# Altium PCB BMS_V2.1_Adv.PcbDoc (part 2 of 4)
Units mil, origin at the board's own origin, x right, y up, seen from the top; angles counter-clockwise.
Board outline 5905.51 x 5905.51 mil, 4 copper layers (Top Layer, PWR, GND, Bottom Layer), stack 23.756 mil thick; 313 components, 195 nets, 1044 pads, 1741 vias.
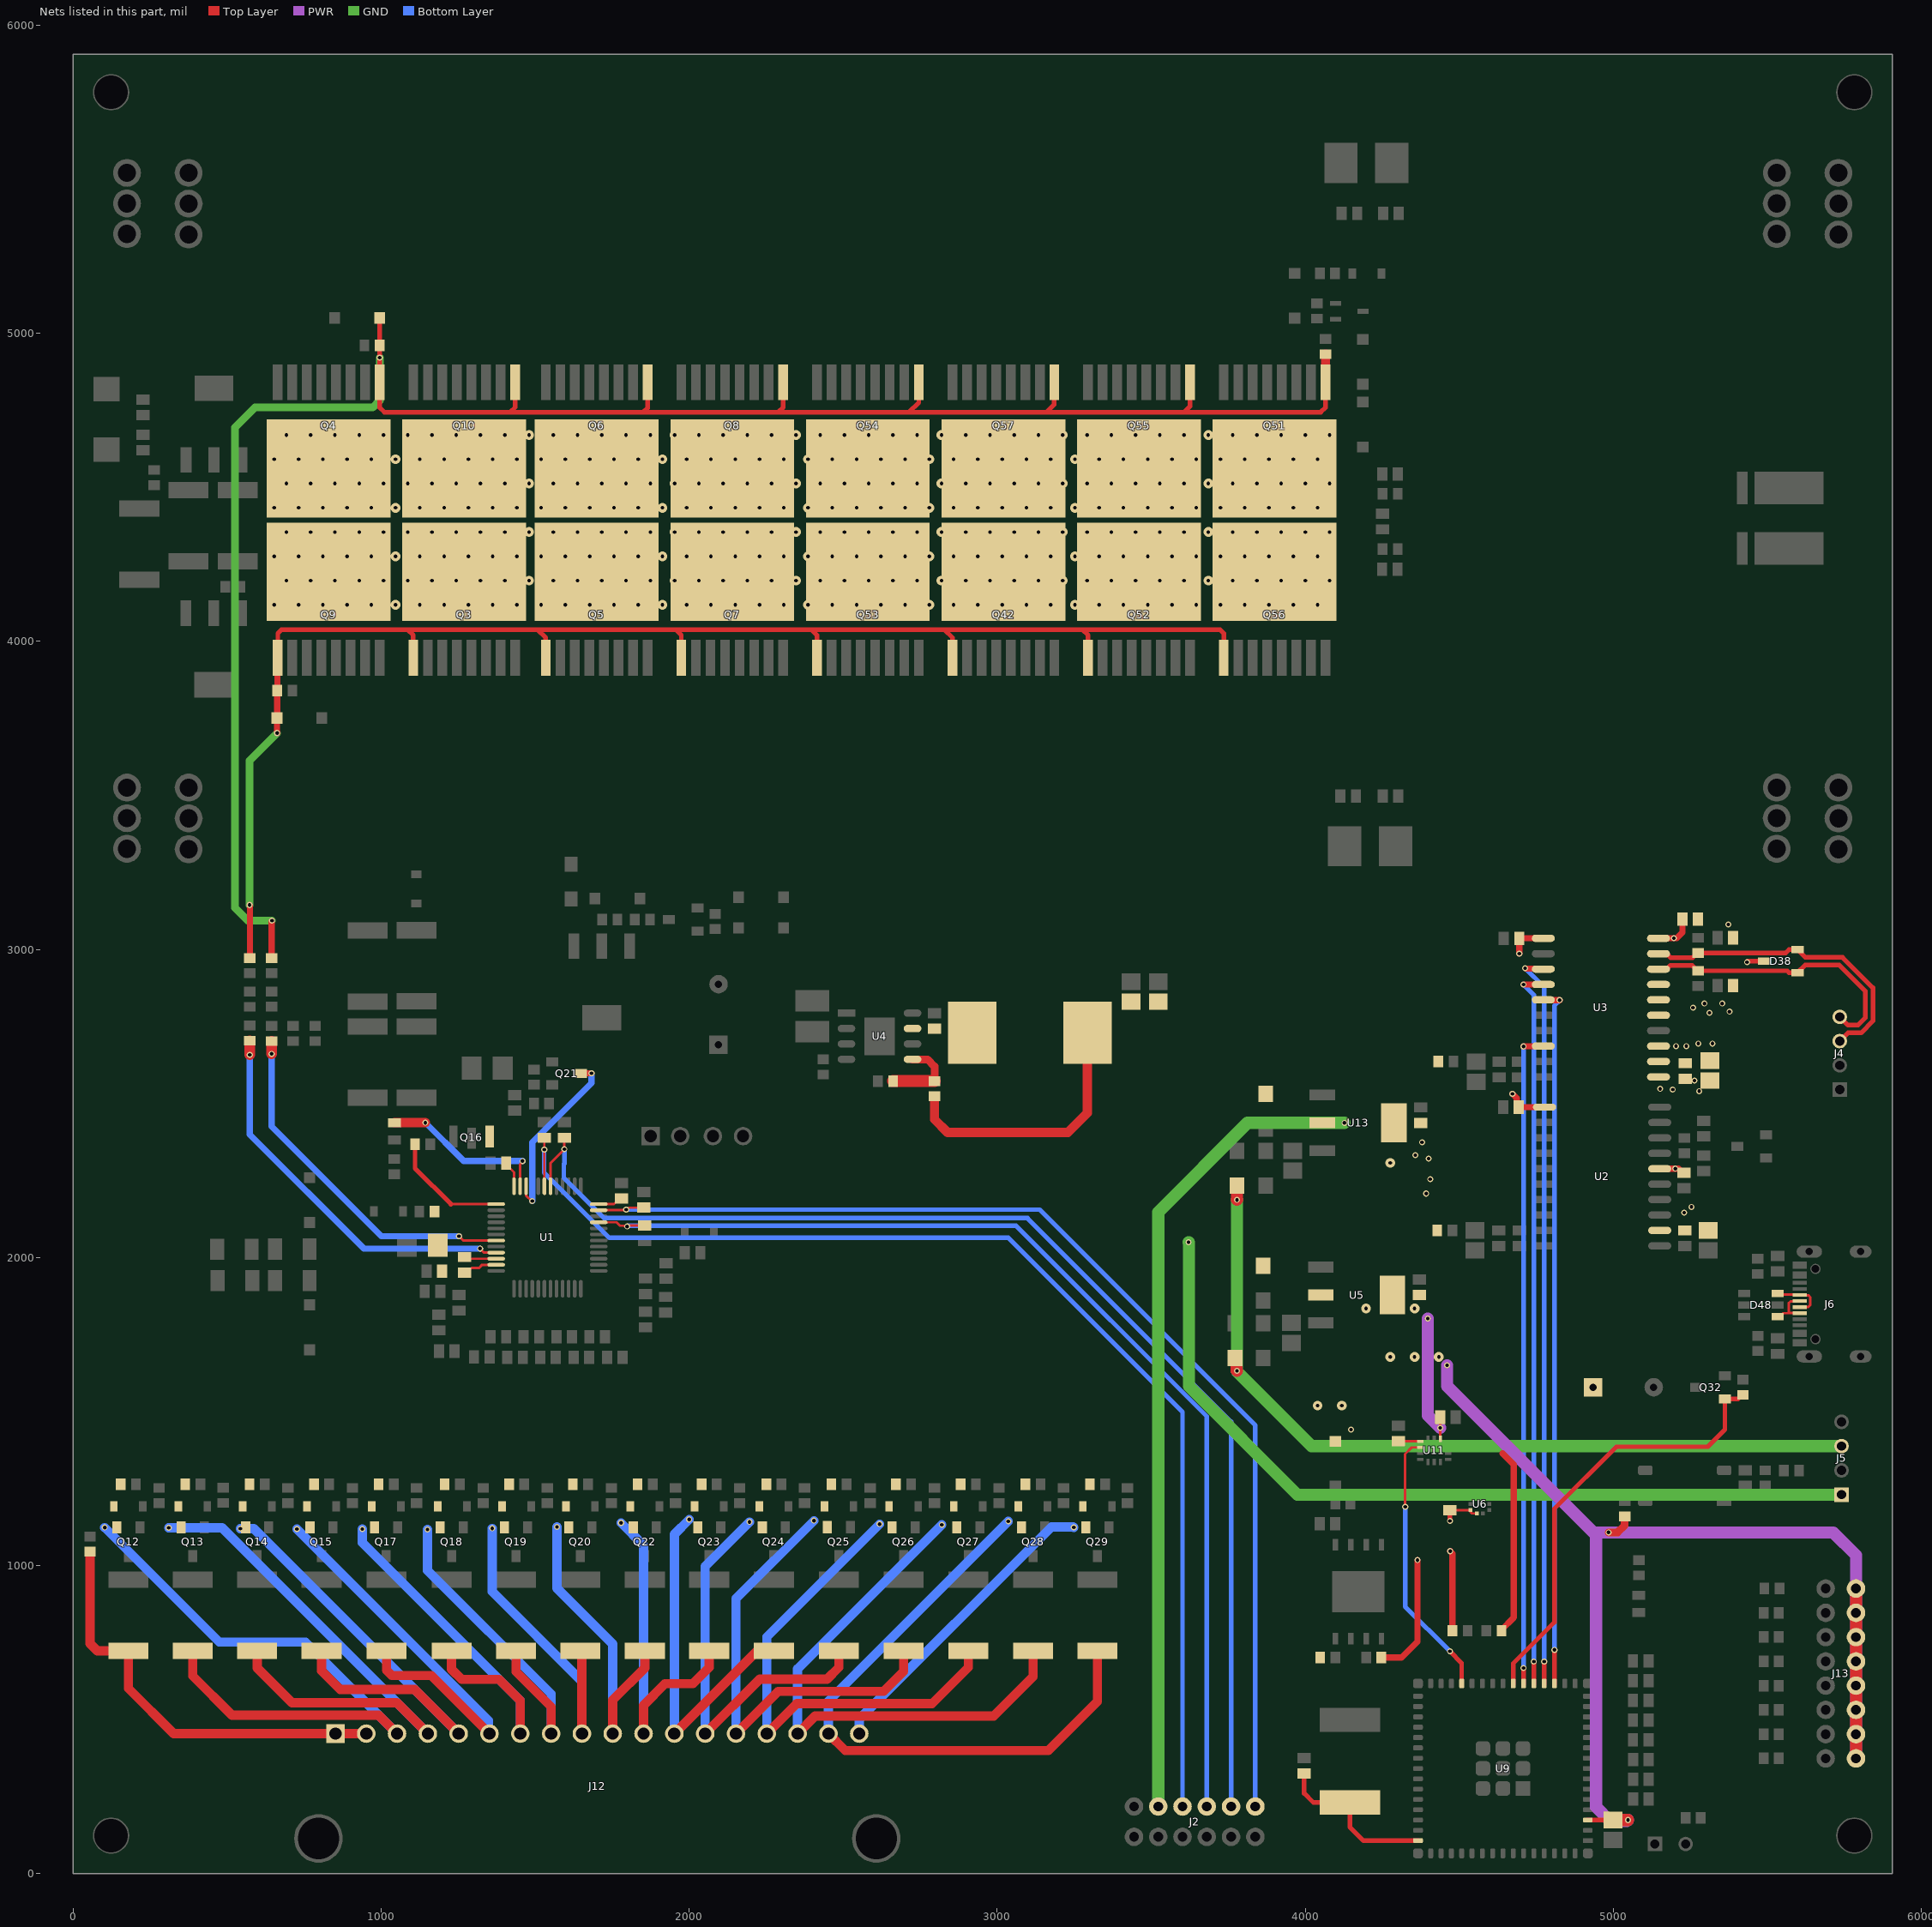
[diagram p4: the nets of this part, all layers, seen from the top]

## Part data (continued)
C26 C40 C41 C44 C45 C46 C52 C56 C62 C64 C65: library part Cap_CC0603KRX7R7BB104, "Multilayer Ceramic Capacitor, 100 nF, 16V, ±10%,  X7R 0603 [1608 Metric]", Manufacturer=Yageo, Max Temp="125 degC", Min Temp="-55 degC", Package=0603, Supplier 1 Part Number=311-1088-1-ND, Supplier Part Number=603-CC603KRX7R7BB104, Temp Coefficient=X7R, Tolerance=10%, Value Display="100nF,16 V,0603", Voltage=16V, AEC-Q=NA, Category=Capacitor, ComponentLink1Description=Datasheet, ComponentLink1URL=https://www.yageo.com/upload/media/product/productsearch/datasheet/mlcc/UPY-GPHC_X7R_6.3V-to-250V_24.pdf, Manufacturer Part Number=CC0603KRX7R7BB104, Mount Type="Surface Mount", Polarized=No, RoHS=Yes, Supplier=Mouser, Supplier 1=Digikey, Supplier 1 pricing per Unit="8.34 INR", Supplier pricing per Unit="8.34 INR", Technology=Ceramic, Value 1=CC0603KRX7R7BB104
C28 C29 C32 C34 C42 C43 C135 C136 C137 C138 C139 C140 C141 C142: library part Cap_C0603C102J3GACAUTO, "Multilayer Ceramic Capacitor, 1000 pF, 25V, ±5%,  C0G 0603 [1608 Metric]", Manufacturer=KEMET, Max Temp="125 degC", Min Temp="-55 degC", Package=0603, Supplier 1 Part Number=399-C0603C102J3GACAUTOCT-ND, Supplier Part Number=80-C0603C102J3GAUTO, Temp Coefficient="C0G, NP0", Tolerance=5%, Value Display="1nF,25 V,0603", Voltage=25V, AEC-Q=200, Category=Capacitor, ComponentLink1Description=Datasheet, ComponentLink1URL=https://connect.kemet.com:7667/gateway/IntelliData-ComponentDocumentation/1.0/download/datasheet/C0603C102J3GACAUTO, Manufacturer Part Number=C0603C102J3GACAUTO, Mount Type="Surface Mount", Polarized=No, RoHS=Yes, Supplier=Mouser, Supplier 1=Digikey, Supplier 1 pricing per Unit="9.17 INR", Supplier pricing per Unit="8.34 INR", Technology=Ceramic, Value 1=C0603C102J3GACAUTO
C30 C57 C60 C70 C72 C76 C77 C78 C81: library part Cap_GRM21BZ71E106KE15L, "Multilayer Ceramic Capacitor, 10 uF, 25V, ±10%,  X7R 0805 (2012 Metric)", Manufacturer=Murata, Max Temp="125 degC", Min Temp="-55 degC", Package=0805, Supplier 1 Part Number=490-GRM21BZ71E106KE15LCT-ND, Supplier Part Number=81-GRM21BZ71E106KE5L, Temp Coefficient=X7R, Tolerance=10%, Value Display="10uF, 25V, 0805", Voltage=25V, AEC-Q=NA, Category=Capacitor, ComponentLink1Description=Datasheet, ComponentLink1URL=https://search.murata.co.jp/Ceramy/image/img/A01X/G101/ENG/GRM21BZ71E106KE15-01.pdf, Manufacturer Part Number=GRM21BZ71E106KE15L, Mount Type="Surface Mount", Polarized=No, RoHS=Yes, Supplier=Mouser, Supplier 1=Digikey, Supplier 1 pricing per Unit="28.51 INR", Supplier pricing per Unit="30.02 INR", Technology=Ceramic, Value 1=GRM21BZ71E106KE15L
C53 C54: library part Cap_CC0603JRNPO9BN470, "Multilayer Ceramic Capacitor, 47 pF, 50V, ±5%,  C0G 0603 [1608 Metric]", Manufacturer=Yageo, Max Temp="125 degC", Min Temp="-55 degC", Package=0603, Supplier 1 Part Number=311-1065-1-ND, Supplier Part Number=603-CC603JRNPO9BN470, Temp Coefficient="C0G, NP0", Tolerance=5%, Value Display="47pF,50 V,0603", Voltage=50V, AEC-Q=NA, Category=Capacitor, ComponentLink1Description=Datasheet, ComponentLink1URL=https://www.yageo.com/upload/media/product/productsearch/datasheet/mlcc/UPY-GP_NP0_16V-to-50V_18.pdf, Manufacturer Part Number=CC0603JRNPO9BN470, Mount Type="Surface Mount", Polarized=No, RoHS=Yes, Supplier=Mouser, Supplier 1=Digikey, Supplier 1 pricing per Unit="8.34 INR", Supplier pricing per Unit="8.34 INR", Technology=Ceramic, Value 1=CC0603JRNPO9BN470
C59 C68: library part Cap_C0603C103K4RECTU, "Multilayer Ceramic Capacitor, 10 nF, 16V, ±10%,  X7R 0603 [1608 Metric]", Manufacturer=KEMET, Max Temp="125 degC", Min Temp="-55 degC", Package=0603, Supplier 1 Part Number=399-C0603C103K4REC7867CT-ND, Supplier Part Number=80-C0603C103K4RECTU, Temp Coefficient=X7R, Tolerance=10%, Value Display="10nF,16 V,0603", Voltage=16V, AEC-Q=NA, Category=Capacitor, ComponentLink1Description=Datasheet, ComponentLink1URL=https://content.kemet.com/datasheets/KEM_C1090_X7R_ESD.pdf, Manufacturer Part Number=C0603C103K4RECTU, Mount Type="Surface Mount", Polarized=No, RoHS=Yes, Supplier=Mouser, Supplier 1=Digikey, Supplier 1 pricing per Unit="9.21 INR", Supplier pricing per Unit="8.34 INR", Technology=Ceramic, Value 1=C0603C103K4RECTU
C74: library part Cap_ESW476M100AH2AA, "Aluminum Electrolytic Capacitors Radial, 47 µF 100 V, Can 370mOhm @ 100kHz 5000 Hrs @ 105°C", Manufacturer=KEMET, Max Temp="105 degC", Min Temp="-40 degC", Package=TH, Supplier 1 Part Number=399-6631-ND, Supplier Part Number=80-ESW476M100AH2AA, Temp Coefficient=Electrolyte, Tolerance=20%, Value Display="47uF, 100 V", Voltage=100V, AEC-Q=NA, Category=Capacitor, ComponentLink1Description=Datasheet, ComponentLink1URL=https://www.mouser.in/datasheet/2/447/KEM_A4009_ESW-3316312.pdf, Manufacturer Part Number=ESW476M100AH2AA, Mount Type=TH, Pitch="5 mm", Polarized=Yes, RoHS=Yes, Supplier=Mouser, Supplier 1=Digikey, Supplier 1 pricing per Unit="35.85 INR", Supplier pricing per Unit="35.86 INR", Technology=Electrolyte, Value 1=ESW476M100AH2AA
C75: library part Cap_HMK325B7225KMHT, "Multilayer Ceramic Capacitor, 2.2 uF, 100 V, ± 10%, X7R, 1210 [3225 Metric]", Manufacturer="Taiyo Yuden", Max Temp="125 degC", Min Temp="-55 degC", Package=1210, Supplier 1 Part Number=587-6142-1-ND, Supplier Part Number=963-HMK325B7225KMHT, Temp Coefficient=X7R, Tolerance=10%, Value Display="2.2uF,100 V,1210", Voltage=100V, AEC-Q=200, Category=Capacitor, ComponentLink1Description=Datasheet, ComponentLink1URL=https://ds.yuden.co.jp/TYCOMPAS/ut/detail?pn=HMK325B7225KMHT%20%20&u=M, Manufacturer Part Number=HMK325B7225KMHT, Mount Type="Surface Mount", Polarized=No, RoHS=Yes, Supplier=Mouser, Supplier 1=Digikey, Supplier 1 pricing per Unit="33.35 INR", Supplier pricing per Unit="32.53 INR", Technology=Ceramic, Value 1=HMK325B7225KMHT
D1: library part Diode_TVS_SMP100LC-140, "140V Off-State 400 A Ipp TVS Thyristor DO-214AA, SMB", Manufacturer=ST, Max Temp=NA, Package="DO-214AA, SMB", Supplier 1 Part Number=497-4088-1-ND, Supplier Part Number=511-SMP100LC-140, Value Display=140V, AEC-Q=NA, Category="TVS Diode", ComponentLink1Description=Datasheet, ComponentLink1URL=https://www.st.com/content/ccc/resource/technical/document/datasheet/56/56/46/9e/00/a0/48/db/CD00002051.pdf/files/CD00002051.pdf/jcr:content/translations/en.CD00002051.pdf, Manufacturer Part Number=SMP100LC-140, Min Temp=NA, Mount Type="Surface Mount", RoHS=Yes, Supplier=Mouser, Supplier 1=Digikey, Supplier 1 pricing per Unit="63.38 INR", Supplier pricing per Unit="63.38 INR", Value 1=SMP100LC-140, Voltage=140V
D2 D3: library part Diode_TVS_SMDJ70A, "113V Clamp 31A Ipp Tvs Diode Surface Mount DO-214AB (SMCJ)", Manufacturer=LittleFuse, Max Temp="150 degC", Min Temp="-65 degC", Package="DO-214AB (SMCJ)", Power="3kW (Peak)", Supplier 1 Part Number=SMDJ70ACT-ND, Supplier Part Number=576-SMDJ70A, Value Display=113V, AEC-Q=NA, Category="TVS Diode", ComponentLink1Description=Datasheet, ComponentLink1URL=https://www.littelfuse.com/media?resourcetype=datasheets&itemid=2d9772b3-822b-4362-914d-b74e0a706638&filename=littelfuse-tvs-diode-smdj-datasheet, Manufacturer Part Number=SMDJ70A, Mount Type="Surface Mount", RoHS=Yes, Supplier=Mouser, Supplier 1=Digikey, Supplier 1 pricing per Unit="74.28 INR", Supplier pricing per Unit="73.39 INR", Value 1=SMDJ70A, Voltage=113V
D4 D5 D6 D40: library part Diode_MMSZ5246BQ-7-F, "Zener Diode 16 V 500 mW ±5% Surface Mount SOD-123", Forward Current=30mA, Forward Voltage="900 mV @ 10 mA", Manufacturer="Diodes Inc.", Max Temp="150 degC", Min Temp="-65 degC", Package="SOD 123", Power=370mW, Supplier 1 Part Number=31-MMSZ5246BQ-7-FTR-ND, Supplier Part Number=621-MMSZ5246BQ-7-F, Value Display="16V 30mA", Voltage=16V, AEC-Q=101, Category=Diode, ComponentLink1Description=Datasheet, ComponentLink1URL=https://www.diodes.com/assets/Datasheets/ds18010.pdf, Manufacturer Part Number=MMSZ5246BQ-7-F, Mount Type="Surface Mount", RoHS=Yes, Supplier=Mouser, Supplier 1=Digikey, Supplier 1 pricing per Unit="17.9 INR", Supplier pricing per Unit="17.71 INR", Value 1=MMSZ5246BQ-7-F
D7 D8 D10 D11: library part Diode_BAT46W-7-F, "Diode 100 V 150mA Surface Mount SOD-123", Forward Current=150mA, Forward Voltage="450mV @ 10mA", Manufacturer="Diodes Inc.", Max Temp="125 degC", Min Temp="-55 degC", Package="SOD 123", Power=200mW, Supplier 1 Part Number=BAT46W-7FDICT-ND, Supplier Part Number=621-BAT46W-7-F, Value Display="100V 150mA", Voltage=100V, AEC-Q=NA, Category=Diode, ComponentLink1Description=Datasheet, ComponentLink1URL=https://www.diodes.com/assets/Datasheets/BAT46W.pdf, Manufacturer Part Number=BAT46W-7-F, Mount Type="Surface Mount", RoHS=Yes, Supplier=Mouser, Supplier 1=Digikey, Supplier 1 pricing per Unit="32.55 INR", Supplier pricing per Unit="25.02 INR", Value 1=BAT46W-7-F
D9 D14 D17: library part Diode_SBAS16HT1G, "DIODE GEN PURP 100V 200MA SOD323", Forward Current=200mA, Forward Voltage="1.25V @150mA", Manufacturer=OnSemi, Max Temp="150 degC", Min Temp="-55 degC", Package="SOD 323", Power=200mW, Supplier 1 Part Number=SBAS16HT1GOSCT-ND, Supplier Part Number=863-SBAS16HT1G, Value Display="100V 200mA", Voltage=100V, AEC-Q=101, Category=Diode, ComponentLink1Description=Datasheet, ComponentLink1URL=https://www.onsemi.com/pdf/datasheet/bas16ht1-d.pdf, Manufacturer Part Number=SBAS16HT1G, Mount Type="Surface Mount", RoHS=Yes, Supplier=Mouser, Supplier 1=Digikey, Supplier 1 pricing per Unit="10.84 INR", Supplier pricing per Unit="15.01 INR", Value 1=SBAS16HT1G
D12 D13 D15 D16 D18 D19 D20 D21 D22 D23 D24 D25 D26 D27 D28 D29 D30: library part Diode_MM3Z5V1ST1G, "Zener Diode 5.6 V 300 mW ±2% Surface Mount SOD-323", Forward Current=2uA, Forward Voltage="900 mV @ 5 mA", Manufacturer=OnSemi, Max Temp="150 degC", Min Temp="-65 degC", Package=SOD-323-2, Power=300mW, Supplier 1 Part Number=MM3Z5V1ST1GOSCT-ND, Supplier Part Number=863-MM3Z5V1ST1G, Value Display=5.1V, AEC-Q=NA, Category=Diode, ComponentLink1Description=Datasheet, ComponentLink1URL=https://www.onsemi.com/pdf/datasheet/mm3z2v4st1-d.pdf, Manufacturer Part Number=MM3Z5V1ST1G, Mount Type="Surface Mount", RoHS=Yes, Supplier=Mouser, Supplier 1=Digikey, Supplier 1 pricing per Unit="8.38 INR", Supplier pricing per Unit="10.01 INR", Value 1=MM3Z5V1ST1GOSCT-ND, Voltage=5.1V
D37: library part Diode_TVS_ESDA6V1L, "Clamp Ipp Tvs Diode Surface Mount SOT-23-3 Unidirectional", Manufacturer=ST, Max Temp="125 degC", Min Temp="-40 degC", Package="SOT 23-3", Power=300W, Supplier 1 Part Number=497-2930-1-ND, Supplier Part Number=511-ESDA6V1L, Voltage=6.1V, AEC-Q=NA, Category="TVS Diode", ComponentLink1Description=Datasheet, ComponentLink1URL=https://www.st.com/content/ccc/resource/technical/document/datasheet/eb/9f/a7/ac/7b/b6/46/7f/CD00002057.pdf/files/CD00002057.pdf/jcr:content/translations/en.CD00002057.pdf, Manufacturer Part Number=ESDA6V1L, Mount Type="Surface Mount", RoHS=Yes, Supplier=Mouser, Supplier 1=Digikey, Supplier 1 pricing per Unit="31.71 INR", Supplier pricing per Unit="33.36 INR", Value 1=ESDA6V1L, Value Display=ESDA6V1L
D38: library part Diode_TVS_ESDCAN04-2BLY, "43V Clamp 3.7A (8/20µs) Ipp Tvs Diode Surface Mount SOT-23-3 Bidirectional", Manufacturer=ST, Max Temp="150 degC", Min Temp="-40 degC", Package="SOT 23-3", Power=230W, Supplier 1 Part Number=497-19089-1-ND, Supplier Part Number=511-ESDCAN04-2BLY, Voltage=43V, AEC-Q=101, Category="TVS Diode", ComponentLink1Description=Datasheet, ComponentLink1URL=https://www.st.com/resource/en/datasheet/esdcan01-2bly.pdf, Manufacturer Part Number=ESDCAN04-2BLY, Mount Type="Surface Mount", RoHS=Yes, Supplier=Mouser, Supplier 1=Digikey, Supplier 1 pricing per Unit="35.05 INR", Supplier pricing per Unit="34.19 INR", Value 1=ESDCAN04-2BLY, Value Display=ESDCAN04-2BLY
D39: library part Diode_STPS2H100ZFY, "Diode 100 V 2A Surface Mount SOD-123F", Forward Current=2A, Forward Voltage="0.7V @ 2A", Manufacturer=ST, Max Temp="175 degC", Min Temp="-40 degC", Package="SOD 123", Supplier 1 Part Number=497-17158-1-ND, Supplier Part Number=511-STPS2H100ZFY, Value Display="100V 2A", Voltage=100V, AEC-Q=101, Category=Diode, ComponentLink1Description=Datasheet, ComponentLink1URL=https://www.st.com/content/ccc/resource/technical/document/datasheet/group3/ee/fd/cc/9a/a8/bc/46/dd/DM00306086/files/DM00306086.pdf/jcr:content/translations/en.DM00306086.pdf, Manufacturer Part Number=STPS2H100ZFY, Mount Type="Surface Mount", RoHS=Yes, Supplier=Mouser, Supplier 1=Digikey, Supplier 1 pricing per Unit="36.72 INR", Supplier pricing per Unit="36.70 INR", Value 1=STPS2H100ZFY
D41 D42 D46: library part Diode_SBR80520LT1G, "Diode 20 V 500mA Surface Mount SOD-123", Forward Current=500mA, Forward Voltage="385 mV @ 500 mA", Manufacturer=OnSemi, Max Temp="125 degC", Min Temp="-65 degC", Package="SOD 123", Supplier 1 Part Number=SBR80520LT1GOSCT-ND, Supplier Part Number=863-SBR80520LT1G, Value Display="20V 500mA", Voltage=20V, AEC-Q=NA, Category=Diode, ComponentLink1Description=Datasheet, ComponentLink1URL=https://www.onsemi.com/pdf/datasheet/mbr0520lt1-d.pdf, Manufacturer Part Number=SBR80520LT1G, Mount Type="Surface Mount", RoHS=Yes, Supplier=Mouser, Supplier 1=Digikey, Supplier 1 pricing per Unit="34.22 INR", Supplier pricing per Unit="34.19 INR", Value 1=SBR80520LT1G
D47 D77 D78 D79 D80 D81: library part Diode_MBR120LSFT3G, "DIODE SCHOTTKY 20V 1A SOD123FL", Forward Current=1A, Forward Voltage="450mV @ 1A", Manufacturer=OnSemi, Max Temp="125 degC", Min Temp="-55 degC", Package="SOD 123", Supplier 1 Part Number=MBR120LSFT3GOSCT-ND, Supplier Part Number=863-MBR120LSFT3G, Value Display="20V 1A", Voltage=20V, AEC-Q=NA, Category=Diode, ComponentLink1Description=Datasheet, ComponentLink1URL=https://www.onsemi.com/pdf/datasheet/mbr120lsft1-d.pdf, Manufacturer Part Number=MBR120LSFT3G, Mount Type="Surface Mount", RoHS=Yes, Supplier=Mouser, Supplier 1=Digikey, Supplier 1 pricing per Unit="27.69 INR", Supplier pricing per Unit="38.36 INR", Value 1=MBR120LSFT3G
D48: library part Diode_TVS_USBLC6-2SC6, "17V Clamp 5A (8/20µs) Ipp Tvs Diode Surface Mount SOT-23-6", Manufacturer=ST, Max Temp="150 degC", Min Temp="-40 degC", Package="SOT 23-6", Supplier 1 Part Number=497-5235-1-ND, Supplier Part Number=511-USBLC6-2SC6, Value Display=5.25V, AEC-Q=NA, Category="TVS Diode", ComponentLink1Description=Datasheet, ComponentLink1URL=https://www.st.com/content/ccc/resource/technical/document/datasheet/06/1d/48/9c/6c/20/4a/b2/CD00050750.pdf/files/CD00050750.pdf/jcr:content/translations/en.CD00050750.pdf, Manufacturer Part Number=USBLC6-2SC6, Mount Type="Surface Mount", RoHS=Yes, Supplier=Mouser, Supplier 1=Digikey, Supplier 1 pricing per Unit="29.30 INR", Supplier pricing per Unit="29.19 INR", Value 1=USBLC6-2SC6, Voltage=5.25V
FB1 FB2 FB3 FB4: library part FB_74279265, "600 Ohms @ 100 MHz 1 Signal Line Ferrite Bead 0603 (1608 Metric) 200mA 450mOhm", Manufacturer="Wurth Electronik", Max Temp="125 degC", Min Temp="-55 degC", Package=0603, Supplier 1 Part Number=732-1583-1-ND, Supplier Part Number=710-74279265, Value 1="600 Ohms @100MHHz", Value Display="600 Ohms", AEC-Q=200, Category="Ferrite Bead", ComponentLink1Description=Datasheet, ComponentLink1URL=https://www.we-online.com/components/products/datasheet/74279265.pdf, Manufacturer Part Number=74279265, Mount Type="Surface Mount", RoHS=Yes, Supplier=Mouser, Supplier 1=Digikey, Supplier 1 pricing per Unit="15.07 INR", Supplier pricing per Unit="14.10 INR"
J1: library part Con_61900411121, "Connector Header Through Hole 4 position 0.100\" (2.54mm)", Alternate Part Number=61900411021, Colour=Natural, Crimp Part Number=61900113722, Manufacturer="Wurth Electronik", Mating Part Number=61900411621, Package=THT, Supplier 1 Part Number=732-2697-ND, Supplier Part Number=710-61900411121, Value Display="4 Pin/Vert/TH", Category=Connector, Circuits=4, ComponentLink1Description=Datasheet, ComponentLink1URL=https://www.we-online.com/components/products/datasheet/6190xx11121.pdf, Manufacturer Part Number=61900411121, Mount Type=TH, No. of Rows=1, Pitch="2.54 mm", RoHS=Yes, Supplier=Mouser, Supplier 1=Digikey, Supplier 1 pricing per Unit="77.84 INR", Supplier pricing per Unit="78.4 INR", Value 1=61900411121
J2: library part Con_559591230, "2.00mm Pitch MicroClasp Wire-to-Board Header, Dual Row, Right Angle, 12 Circuits", Colour=Natural, Crimp Part Number=561349000, Manufacturer=Molex, Manufacturer Part Number=0559591230, Mating Part Number=513531200, Package=THT, Supplier 1 Part Number=WM12307-ND, Supplier Part Number=538-55959-1230, Value Display="12 Pin/RA/TH", AEC-Q=NA, Category=Connector, Circuits=12, ComponentLink1Description=Datasheet, ComponentLink1URL=https://www.molex.com/en-us/products/part-detail-pdf/559591230?display=pdf, Mount Type=TH, Pitch="2.00 mm", RoHS=Yes, Rows=2, Supplier=Mouser, Supplier 1=Digikey, Supplier 1 pricing per Unit="92.91 INR", Supplier pricing per Unit="87.57 INR", Value 1=559591230
J3: library part Con_61300211121, "Connector Header Through Hole 2 position 0.100\" (2.54mm)", Colour=Black, Crimp Part Number=609002115121, Manufacturer="Wurth Electronik", Package=THT, Supplier 1 Part Number=732-5315-ND, Supplier Part Number=710-61300211121, Value Display="2 Pin/Vert/TH", AEC-Q=NA, Category=Connector, Circuits=2, ComponentLink1Description=Datasheet, ComponentLink1URL=https://www.we-online.com/components/products/datasheet/61300211121.pdf, Manufacturer Part Number=61300211121, Mating Part Number=609002115121, Mount Type=TH, No. of Rows=1, Pitch="2.54 mm", RoHS=Yes, Supplier=Mouser, Supplier 1=Digikey, Supplier 1 pricing per Unit="10.93 INR", Supplier pricing per Unit="10.84 INR", Value 1=61300211121
J4 J5: library part Con_559350430, "2.00mm Pitch MicroClasp Wire-to-Board Header, Dual Row, Right Angle, 4 Circuits", Colour=Natural, Crimp Part Number=561349000, Manufacturer=Molex, Manufacturer Part Number=0559350430, Mating Part Number=513820400, Package=THT, Supplier 1 Part Number=WM12300-ND, Supplier Part Number=538-55935-0430, Value Display="4 Pin/RA/TH", AEC-Q=NA, Category=Connector, Circuits=4, ComponentLink1Description=Datasheet, ComponentLink1URL=https://www.molex.com/en-us/products/part-detail-pdf/559350430?display=pdf, Mount Type=TH, Pitch="2.00 mm", RoHS=Yes, Rows=1, Supplier=Mouser, Supplier 1=Digikey, Supplier 1 pricing per Unit="36.05 INR", Supplier pricing per Unit="28.36 INR", Value 1=559350430
J6: library part Con_USB_USB4105-GF-A, "USB Type C 2.0 Connector", Manufacturer=GCT, Package=SMT, Supplier 1 Part Number=2073-USB4105-GF-ACT-ND, Supplier Part Number=640-USB4105-GF-A, Value Display="USB 2.0 Type-C", Category=Connector, Circuits=16, ComponentLink1Description=Datasheet, ComponentLink1URL=https://mm.digikey.com/Volume0/opasdata/d220001/medias/docus/5492/USB4105.pdf, Manufacturer Part Number=USB4105-GF-A, Mount Type="Surface Mount", No. of Rows=1, Pitch="0.5 mm", RoHS=Yes, Supplier=Mouser, Supplier 1=Digikey, Supplier 1 pricing per Unit="67.8 INR", Supplier pricing per Unit="67.55 INR", Value 1=USB4105-GF-A
J12: library part Con_705550017, "Connector Header Through Hole, Right Angle 18 position 0.100\" (2.54mm)", Alternate Part Number=705550052, Colour=Black, Crimp Part Number=16020069, Manufacturer=Molex, Manufacturer Part Number=705550017, Mating Part Number=50579418, Package=THT, Supplier 1 Part Number=WM23533-ND, Supplier Part Number=538-70555-0017, Value Display="18 Pin/RA/TH", AEC-Q=NA, Category=Connector, Circuits=18, ComponentLink1Description=Datasheet, ComponentLink1URL=https://www.molex.com/en-us/products/part-detail-pdf/705550017?display=pdf, Mount Type=TH, No. of Rows=1, Pitch="2.54 mm", RoHS=Yes, Rows=1, Supplier=Mouser, Supplier 1=Digikey, Supplier 1 pricing per Unit="119.89 INR", Supplier pricing per Unit="100.01 INR", Value 1=0705550017
J13: library part Con_559591630, "2.00mm Pitch MicroClasp Wire-to-Board Header, Dual Row, Right Angle, 16 Circuits", Colour=Natural, Crimp Part Number=561349000, Manufacturer=Molex, Manufacturer Part Number=0559591630, Mating Part Number=513531600, Supplier 1 Part Number=WM7597-ND, Supplier Part Number=538-55959-1630, AEC-Q=No, Category=Connector, Circuits=16, Pitch (mm)=2.00, RoHS=Yes, Rows=2, Supplier=Mouser, Supplier 1=Digikey, Supplier 1 Price per Unit=77.84, Supplier Price per Unit=74.23
L1: library part Ind_MSS1210-683ME, "68 µH Shielded Drum Core, Wirewound Inductor 2.8 A 80mOhm Max Nonstandard", Manufacturer=Coilcraft, Manufacturer Part Number=MSS1210-683MED, Max Temp="85 degC", Min Temp="-40 degC", Package=SMT, Supplier 1 Part Number=2457-MSS1210-683MED-ND, Supplier Part Number=994-MSS1210-683MED, Value Display="68uH - 2.8A", AEC-Q=200, Category=Inductor, ComponentLink1Description=Datasheet, ComponentLink1URL=https://www.coilcraft.com/getmedia/f1a1bc5f-bdff-42f8-9ca8-1a0fb1d5094f/MSS1210.pdf, Mount Type="Surface Mount", RoHS=Yes, Supplier=Mouser, Supplier 1=Digikey, Supplier 1 pricing per Unit="334.68 INR", Supplier pricing per Unit="338.36 INR", Value 1=MSS1210-683MED
LED1: library part LED_150060RS75000, "Red 625nm LED Indication - Discrete 2V 0603 (1608 Metric)", Colour=Red, Manufacturer="Wurth Electronik", Max Temp="85 degC", Min Temp="-40 degC", Package=0603, Power=72mW, Supplier 1 Part Number=732-4978-1-ND, Supplier Part Number=710-150060RS75000, Value Display="2V, 30mA", AEC-Q=NA, Category=LED, ComponentLink1Description=Datasheet, ComponentLink1URL=https://www.we-online.com/components/products/datasheet/150060RS75000.pdf, Manufacturer Part Number=150060RS75000, Mount Type="Surface Mount", RoHS=Yes, Supplier=Mouser, Supplier 1=Digikey, Supplier 1 pricing per Unit="12.51 INR", Supplier pricing per Unit="12.51 INR", Value 1=150060RS75000
LED2: library part LED_150060GS75000, "Green 520nm LED Indication - Discrete 3.2V 0603 (1608 Metric)", Colour=Green, Manufacturer="Wurth Electronik", Max Temp="85 degC", Min Temp="-40 degC", Package=0603, Power=105mW, Supplier 1 Part Number=732-4971-1-ND, Supplier Part Number=710-150060GS75000, Value Display="3.2V, 20mA", AEC-Q=NA, Category=LED, ComponentLink1Description=Datasheet, ComponentLink1URL=https://www.we-online.com/components/products/datasheet/150060GS75000.pdf, Manufacturer Part Number=150060GS75000, Mount Type="Surface Mount", RoHS=Yes, Supplier=Mouser, Supplier 1=Digikey, Supplier 1 pricing per Unit="12.51 INR", Supplier pricing per Unit="12.51 INR", Value 1=150060GS75000
MT1 MT2 MT3 MT4: library part "Mounting Hole M3"
Q1 Q2 Q30: library part FET_ZXMP10A17GQTA, "P-Channel 100 V 2.4A (Ta) 2W (Ta) Surface Mount SOT-223-3", Forward Current=2.4A, Forward Voltage=100V, Manufacturer="Diodes Inc.", Max Temp="150 degC", Min Temp="-55 degC", Package="SOT 23-3", Power=2W, Supplier 1 Part Number=ZXMP10A17GQTADICT-ND, Supplier Part Number=621-ZXMP10A17GQTA, Value Display="100V 2.4A", AEC-Q=101, Category=MOSFET, Channel=P-Channel, ComponentLink1Description=Datasheet, ComponentLink1URL=https://www.diodes.com/assets/Datasheets/ZXMP10A17GQ.pdf, Manufacturer Part Number=ZXMP10A17GQTA, Mount Type="Surface Mount", Rds ON="350mΩ @ 2.4A @ -10V", RoHS=Yes, Supplier=Mouser, Supplier 1=Digikey, Supplier 1 pricing per Unit="85.13 INR", Supplier pricing per Unit="85.07 INR", Value 1=ZXMP10A17GQTA, Voltage=100V
Q3 Q4 Q5 Q6 Q7 Q8 Q9 Q10 Q42 Q51 Q52 Q53 Q54 Q55 Q56 Q57: library part FET_NVBLS0D8N08XTXG, "N-Channel 80 V 457A (Tc) 325W (Tc) Surface Mount 8-HPSOF", Forward Current=457A, Forward Voltage=80V, Manufacturer=OnSemi, Max Temp="175 degC", Min Temp="-55 degC", Package="8 HPSOF", Power=325W, Supplier 1 Part Number=488-NVBLS0D8N08XTXGCT-ND, Supplier Part Number=863-NVBLS0D8N08XTXG, Value Display="80V 457A", AEC-Q=101, Category=MOSFET, Channel=N-Channel, ComponentLink1Description=Datasheet, ComponentLink1URL=https://www.onsemi.com/download/data-sheet/pdf/nvbls0d8n08x-d.pdf, Manufacturer Part Number=NVBLS0D8N08XTXG, Mount Type="Surface Mount", Rds ON="0.79mOhms @80A,10V", RoHS=Yes, Supplier=Mouser, Supplier 1=Digikey, Supplier 1 pricing per Unit="575.53 INR", Supplier pricing per Unit="574.63 INR", Value 1=NVBLS0D8N08XTXG, Voltage=80V
Q11: library part FET_2N7002KW, "N-Channel 60 V 310mA (Ta) 350mW (Ta) Surface Mount SOT-323", Forward Current=310mA, Forward Voltage=60V, Manufacturer=OnSemi, Max Temp="150 degC", Min Temp="-55 degC", Package="SOT 32-3", Power=350mW, Value Display="60V 310mA", AEC-Q=NA, Category=MOSFET, Channel=N-Channel, ComponentLink1Description=Datasheet, ComponentLink1URL=https://www.onsemi.com/pdf/datasheet/2n7002kw-d.pdf, Manufacturer Part Number=2N7002KW, Mount Type="Surface Mount", Rds ON="1.6Ohms @500mA 10V", RoHS=Yes, Supplier=Mouser, Supplier 1=Digikey, Value 1=2N7002KW, Voltage=60V
Q12 Q13 Q14 Q15 Q17 Q18 Q19 Q20 Q22 Q23 Q24 Q25 Q26 Q27 Q28 Q29 Q31 Q32: library part FET_DMG2302UK-7, "N-Channel 20 V 2.8A (Ta) 660mW (Ta) Surface Mount SOT-23-3", Forward Current=2.8A, Forward Voltage=20V, Manufacturer="Diodes Inc.", Max Temp="150 degC", Min Temp="-55 degC", Package="SOT 23-3", Power=660mW, Supplier 1 Part Number=DMG2302UK-7DICT-ND, Supplier Part Number=621-DMG2302UK-7, Value Display="20V 2.8A", AEC-Q=101, Category=MOSFET, Channel=N-Channel, ComponentLink1Description=Datasheet, ComponentLink1URL=https://www.diodes.com/assets/Datasheets/DMG2302UK.pdf, Manufacturer Part Number=DMG2302UK-7, Mount Type="Surface Mount", Rds ON="90mOhms @ 3.6A, 4.5V", RoHS=Yes, Supplier=Mouser, Supplier 1=Digikey, Supplier 1 pricing per Unit="28.35 INR", Supplier pricing per Unit="22.52 INR", Value 1=DMG2302UK-7, Voltage=20V
Q16: library part BJT_FCX495TA, "Bipolar (BJT) Transistor NPN 150 V 1 A 100MHz 1 W Surface Mount SOT-89-3", Manufacturer="Diodes Inc.", Max Temp="150 degC", Min Temp="-65 degC", Package="SOT 89-3", Power=1W, Supplier 1 Part Number=FCX495CT-ND, Supplier Part Number=522-FCX495TA, Value Display="150V 1A", Voltage=150V, AEC-Q=101, Category=BJT, Channel=NPN, ComponentLink1Description=Datasheet, ComponentLink1URL=https://www.diodes.com/assets/Datasheets/FCX495.pdf, Manufacturer Part Number=FCX495TA, Mount Type="Surface Mount", RoHS=Yes, Supplier=Mouser, Supplier 1=Digikey, Supplier 1 pricing per Unit="38.37 INR", Supplier pricing per Unit="27.52 INR", Technology=BJT, Value 1=FCX495TA
Q21: library part FET_DMG2302UK-7, "N-Channel 20 V 2.8A (Ta) 660mW (Ta) Surface Mount SOT-23-3", Alternate 2 Part Number (Right Angled)=N-Channel, Forward Current=2.8A, Forward Voltage=20V, Manufacturer="Diodes Inc.", Max Temp="150 degC", Min Temp="-55 degC", Package="SOT 23-3", Power=660mW, Supplier 1 Part Number=DMG2302UK-7DICT-ND, Supplier Part Number=621-DMG2302UK-7, Value Display="20V 2.8A", AEC-Q=101, Category=MOSFET, ComponentLink1Description=Datasheet, ComponentLink1URL=https://www.diodes.com/assets/Datasheets/DMG2302UK.pdf, Manufacturer Part Number=DMG2302UK-7, Mount Type="Surface Mount", Rds ON="90mOhms @ 3.6A, 4.5V", RoHS=Yes, Supplier=Mouser, Supplier 1=Digikey, Supplier 1 pricing per Unit="28.35 INR", Supplier pricing per Unit="22.52 INR", Value 1=DMG2302UK-7, Voltage=20V
R1 R2 R3: library part Res_AC2512FK-7W200RL, "200 Ohms ±1% 2W Chip Resistor 2512 (6432 Metric) Automotive AEC-Q200, Moisture Resistant Thick Film", Manufacturer=Yageo, Max Temp="155 degC", Min Temp="-55 degC", Package=2512, Power=2W, Supplier 1 Part Number=13-AC2512FK-7W200RLTR-ND, Supplier Part Number=603-AC2512FK-7W200RL, Tolerance=1%, Value Display="200E, 1%,2512", AEC-Q=200, Category=Resistor, ComponentLink1Description=Datasheet, ComponentLink1URL=https://www.yageo.com/upload/media/product/productsearch/datasheet/rchip/PYu-AC_51_RoHS_L_10.pdf, Manufacturer Part Number=AC2512FK-7W200RL, Mount Type="Surface Mount", RoHS=Yes, Supplier=Mouser, Supplier 1=Digikey, Supplier 1 pricing per Unit=NA, Supplier pricing per Unit="60.05 INR", Value 1=AC2512FK-7W200RL
R4 R5 R6 R7 R8: library part Res_CRCW060310M0JNEA, "SMD Chip Resistor, 10 MOhm,±5%, 100 mW, 0603 [1608 Metric], Thick Film, General Purpose", Manufacturer="Vishay Dale", Max Temp="155 degC", Min Temp="-55 degC", Package=0603, Power=1/10W, Supplier 1 Part Number=541-10MGCT-ND, Supplier Part Number=71-CRCW0603J-10M-E3, Tolerance=5%, Value Display="10ME, 5%, 0603", AEC-Q=200, Category=Resistor, ComponentLink1Description=Datasheet, ComponentLink1URL=https://www.vishay.com/docs/20035/dcrcwe3.pdf, Manufacturer Part Number=CRCW060310M0JNEA, Mount Type="Surface Mount", RoHS=Yes, Supplier=Mouser, Supplier 1=Digikey, Supplier 1 pricing per Unit="8.34 INR", Supplier pricing per Unit="8.34 INR", Value 1=CRCW060310M0JNEA
R9 R10 R11 R12 R13 R15 R16 R104 R105: library part Res_CRCW06035K10JNEA, "SMD Chip Resistor, 5.1k Ohm, ± 5%, 250 mW, 0603 [1608 Metric], Thick Film, General Purpose", Manufacturer="Vishay Dale", Max Temp="155 degC", Min Temp="-55 degC", Package=0603, Power=1/10W, Supplier 1 Part Number=541-5.1KGCT-ND, Supplier Part Number=71-CRCW0603J-5.1K-E3, Tolerance=5%, Value Display="5.1kE, 5%,0603", AEC-Q=200, Category=Resistor, ComponentLink1Description=Datasheet, ComponentLink1URL=https://www.vishay.com/docs/20035/dcrcwe3.pdf, Manufacturer Part Number=CRCW06035K10JNEA, Mount Type="Surface Mount", RoHS=Yes, Supplier=Mouser, Supplier 1=Digikey, Supplier 1 pricing per Unit="8.34 INR", Supplier pricing per Unit="8.34 INR", Value 1=CRCW06035K10JNEA
R14 R26 R29 R34 R40 R43 R48 R51 R54 R56 R58 R60 R62 R65 R68 R71 R74 R77 R80 R82 R83 R84 R85 R88 R100 R101 R102 R103: library part Res_CRCW060310K0FKEA, "SMD Chip Resistor, 10 kOhm,±1%, 100 mW, 0603 [1608 Metric], Thick Film, General Purpose", Manufacturer="Vishay Dale", Max Temp="155 degC", Min Temp="-55 degC", Package=0603, Power=1/10W, Supplier 1 Part Number=541-10.0KHCT-ND, Supplier Part Number=71-CRCW0603-10K-E3, Tolerance=1%, Value Display="10kE, 1%, 0603", AEC-Q=200, Category=Resistor, ComponentLink1Description=Datasheet, ComponentLink1URL=https://www.vishay.com/docs/20035/dcrcwe3.pdf, Manufacturer Part Number=CRCW060310K0FKEA, Mount Type="Surface Mount", RoHS=Yes, Supplier=Mouser, Supplier 1=Digikey, Supplier 1 pricing per Unit="8.34 INR", Supplier pricing per Unit="8.34 INR", Value 1=CRCW060310K0FKEA
R17: library part Res_WSLP2726L5000FEA, "0.5 mOhms ±1% 7W Chip Resistor Nonstandard Anti-Sulfur, Automotive AEC-Q200, Current Sense, Moisture Resistant, Pulse Withstanding Metal Element", Manufacturer="Vishay Dale", Max Temp="175 degC", Min Temp="-60 degC", Package=NS, Power=7W, Supplier 1 Part Number=541-4377-1-ND, Supplier Part Number=71-WSLP2726L5000FEA, Tolerance=1%, Value Display="0.5mE, 1%", AEC-Q=200, Category="Shunt Resistor", ComponentLink1Description=Datasheet, ComponentLink1URL=https://www.vishay.com/docs/30179/wslp2726.pdf, Manufacturer Part Number=WSLP2726L5000FEA, Mount Type="Surface Mount", RoHS=Yes, Supplier=Mouser, Supplier 1=Digikey, Supplier 1 pricing per Unit="237.03 INR", Supplier pricing per Unit="202.66 INR", Value 1=WSLP2726L5000FEA
R18 R19 R44 R45 R89: library part Res_AF0603FR-07100RL, "SMD Chip Resistor,100 Ohms ±1%, 1/10W, 0603 (1608 Metric) Anti-Sulfur, Automotive AEC-Q200 Thick Film", Manufacturer=Yageo, Max Temp="155 degC", Min Temp="-55 degC", Package=0603, Power=1/10W, Supplier 1 Part Number=13-AC0603FR-10150RLCT-ND, Supplier Part Number=603-AF0603FR-07100RL, Tolerance=1%, Value Display="100E, 1%,0603", AEC-Q=200, Category=Resistor, ComponentLink1Description=Datasheet, ComponentLink1URL=https://www.yageo.com/upload/media/product/app/datasheet/rchip/pyu-af_51_rohs_l.pdf, Manufacturer Part Number=AF0603FR-07100RL, Mount Type="Surface Mount", RoHS=Yes, Supplier=Mouser, Supplier 1=Digikey, Supplier 1 pricing per Unit="8.34 INR", Supplier pricing per Unit="8.34 INR", Value 1=AF0603FR-07100RL
R20 R21 R22 R23: library part Res_CRCW12065K10JNEA, "SMD Chip Resistor, 5.1k Ohm, ± 5%, 250 mW, 1206 [3216 Metric], Thick Film, General Purpose", Manufacturer="Vishay Dale", Max Temp="155 degC", Min Temp="-55 degC", Package=1206, Power=1/4W, Supplier 1 Part Number=541-5.1KECT-ND, Supplier Part Number=71-CRCW1206J-5.1K-E3, Tolerance=5%, Value Display="5.1kE, 5%,1206", AEC-Q=200, Category=Resistor, ComponentLink1Description=Datasheet, ComponentLink1URL=https://www.vishay.com/docs/20035/dcrcwe3.pdf, Manufacturer Part Number=CRCW12065K10JNEA, Mount Type="Surface Mount", RoHS=Yes, Supplier=Mouser, Supplier 1=Digikey, Supplier 1 pricing per Unit="8.34 INR", Supplier pricing per Unit="8.34 INR", Value 1=CRCW12065K10JNEA
R24 R27 R30 R35 R41 R46 R49 R52 R55 R59 R63 R66 R69 R72 R75 R78 R81: library part Res_CRCW060320R0FKEAHP, "SMD Chip Resistor, 20 Ohm, ± 1%, 330 mW, 0603 [1608 Metric], Thick Film, General Purpose", Manufacturer="Vishay Dale", Max Temp="155 degC", Min Temp="-55 degC", Package=0603, Power=1/10W, Supplier 1 Part Number=541-20.0SCT-ND, Supplier Part Number=71-CRCW060320R0FKEAH, Tolerance=1%, Value Display="20E, 1%, 0603", AEC-Q=200, Category=Resistor, ComponentLink1Description=Datasheet, ComponentLink1URL=https://www.vishay.com/docs/20043/crcwhpe3.pdf, Manufacturer Part Number=CRCW060320R0FKEAHP, Mount Type="Surface Mount", RoHS=Yes, Supplier=Mouser, Supplier 1=Digikey, Supplier 1 pricing per Unit="12.51 INR", Supplier pricing per Unit="12.51 INR", Value 1=CRCW060320R0FKEAHP
R25 R28 R31 R37 R42 R47 R50 R53 R57 R61 R64 R67 R70 R73 R76 R79: library part Res_RC2512FK-0720RL, "SMD Chip Resistor, 20 Ohm Resistor, 1 W, 2512 [6432 Metric], Thick Film, General Purpose", Manufacturer=Yageo, Max Temp="155 degC", Min Temp="-55 degC", Package=2512, Power=1W, Supplier 1 Part Number=13-RC2512FK-0720RLCT-ND, Supplier Part Number=603-RC2512FK-0720RL, Tolerance=1%, Value Display="20E, 1%, 2512", AEC-Q=NA, Category=Resistor, ComponentLink1Description=Datasheet, ComponentLink1URL=https://www.yageo.com/upload/media/product/products/datasheet/rchip/PYu-RC_Group_51_RoHS_L_12.pdf, Manufacturer Part Number=RC2512FK-0720RL, Mount Type="Surface Mount", RoHS=Yes, Supplier=Mouser, Supplier 1=Digikey, Supplier 1 pricing per Unit="27.67 INR", Supplier pricing per Unit="26.69 INR", Value 1=RC2512FK-0720RL
R32 R33 R36 R38: library part Res_CRCW2512220RJNEG, "SMD Chip Resistor, 220 Ohm, ± 1%, 1 W, 2512 [6432 Metric], Thick Film, General Purpose", Manufacturer="Vishay Dale", Max Temp="155 degC", Min Temp="-55 degC", Package=2512, Power=1W, Supplier 1 Part Number=541-220XCT-ND, Supplier Part Number=71-CRCW2512J-220-E3, Tolerance=5%, Value Display="220E, 5%,2512", AEC-Q=200, Category=Resistor, ComponentLink1Description=Datasheet, ComponentLink1URL=https://www.vishay.com/docs/20035/dcrcwe3.pdf, Manufacturer Part Number=CRCW2512220RJNEG, Mount Type="Surface Mount", RoHS=Yes, Supplier=Mouser, Supplier 1=Digikey, Supplier 1 pricing per Unit="26.68 INR", Supplier pricing per Unit="26.68 INR", Value 1=CRCW2512220RJNEG
R39: library part Res_AC0603FR-10200RL, "SMD Chip Resistor,200 Ohms ±1% 0.1W, 1/10W, 0603 (1608 Metric) Anti-Sulfur, Automotive AEC-Q200 Thick Film", Manufacturer=Yageo, Max Temp="155 degC", Min Temp="-55 degC", Package=0603, Power=1/10W, Supplier 1 Part Number=13-AC0603FR-10200RLCT-ND, Supplier Part Number=603-AC0603FR-10200RL, Tolerance=1%, Value Display="200E, 1%,0603", AEC-Q=200, Category=Resistor, ComponentLink1Description=Datasheet, ComponentLink1URL=https://www.yageo.com/upload/media/product/productsearch/datasheet/rchip/PYu-AC_51_RoHS_L_10.pdf, Manufacturer Part Number=AC0603FR-10200RL, Mount Type="Surface Mount", RoHS=Yes, Supplier=Mouser, Supplier 1=Digikey, Supplier 1 pricing per Unit="8.34 INR", Supplier pricing per Unit="8.34 INR", Value 1=AC0603FR-10200RL
R86 R93: library part Res_CRCW0603100KFKEA, "SMD Chip Resistor, 100k Ohm, ± 1%, 100 mW, 0603 [1608 Metric], Thick Film, General Purpose", Manufacturer="Vishay Dale", Manufacturer Part Number=CRCW0603100KFKEA, Max Temp="155 degC", Min Temp="-55 degC", Package=0603, Power=1/10W, Supplier 1 Part Number=541-100KCCT-ND, Supplier Part Number=71-CRCW0603-100K-E3, Tolerance=1%, Value Display="100kE, 1%, 0603", AEC-Q=200, Category=Resistor, ComponentLink1Description=Datasheet, ComponentLink1URL=https://www.vishay.com/docs/20035/dcrcwe3.pdf, Mount Type="Surface Mount", RoHS=Yes, Supplier=Mouser, Supplier 1=Digikey, Supplier 1 pricing per Unit="8.34 INR", Supplier pricing per Unit="8.34 INR", Value 1=CRCW0603100KFKEA
R87: library part Res_AC0603FR-7W1KL, "SMD Chip Resistor, 1k Ohms ±1% , 1/5W, 0603 (1608 Metric) Anti-Sulfur, Automotive AEC-Q200 Thick Film", Manufacturer=Yageo, Max Temp="155 degC", Min Temp="-55 degC", Package=0603, Power="1/5 W", Supplier 1 Part Number=13-AC0603FR-7W1KLCT-ND, Supplier Part Number=603-AC0603FR-7W1KL, Tolerance=1%, Value Display="1kE, 1%, 0603", AEC-Q=200, Category=Resistor, ComponentLink1Description=Datasheet, ComponentLink1URL=https://www.yageo.com/upload/media/product/productsearch/datasheet/rchip/PYu-AC_51_RoHS_L_10.pdf, Manufacturer Part Number=AC0603FR-7W1KL, Mount Type="Surface Mount", RoHS=Yes, Supplier=Mouser, Supplier 1=Digikey, Supplier 1 pricing per Unit="8.34 INR", Supplier pricing per Unit="8.34 INR", Value 1=AC0603FR-7W1KL
R90: library part Res_AF0603FR-07120RL, "SMD Chip Resistor,120 Ohms ±1%, 1/10W, 0603 (1608 Metric) Anti-Sulfur, Automotive AEC-Q200 Thick Film", Manufacturer=Yageo, Max Temp="155 degC", Min Temp="-55 degC", Package=0603, Power=1/10W, Supplier 1 Part Number=13-AF0603FR-07120RLCT-ND, Supplier Part Number=603-AF0603FR-07120RL, Tolerance=1%, Value Display="120E, 1%,0603", AEC-Q=200, Category=Resistor, ComponentLink1Description=Datasheet, ComponentLink1URL=https://www.yageo.com/upload/media/product/app/datasheet/rchip/pyu-af_51_rohs_l.pdf, Manufacturer Part Number=AF0603FR-07120RL, Mount Type="Surface Mount", RoHS=Yes, Supplier=Mouser, Supplier 1=Digikey, Supplier 1 pricing per Unit="8.34 INR", Supplier pricing per Unit="8.34 INR", Value 1=AF0603FR-07120RL
R91 R92: library part Res_AC0603FR-0759RL, "SMD Chip Resistor,59 Ohms ±1% 0.1W, 1/10W, 0603 (1608 Metric) Anti-Sulfur, Automotive AEC-Q200 Thick Film", Manufacturer=Yageo, Max Temp="155 degC", Min Temp="-55 degC", Package=0603, Power=1/10W, Supplier 1 Part Number=13-AC0603FR-0759RLCT-ND, Supplier Part Number=603-AC0603FR-0759RL, Tolerance=1%, Value Display="59E, 1%, 0603", AEC-Q=200, Category=Resistor, ComponentLink1Description=Datasheet, ComponentLink1URL=https://www.yageo.com/upload/media/product/productsearch/datasheet/rchip/PYu-AC_51_RoHS_L_10.pdf, Manufacturer Part Number=AC0603FR-0759RL, Mount Type="Surface Mount", RoHS=Yes, Supplier=Mouser, Supplier 1=Digikey, Supplier 1 pricing per Unit="8.34 INR", Supplier pricing per Unit="8.34 INR", Value 1=AC0603FR-0759RL
R94: library part Res_AC0603FR-0764K9L, "SMD Chip Resistor,64.9k Ohms ±1% 0.1W, 1/10W, 0603 (1608 Metric) Anti-Sulfur, Automotive AEC-Q200 Thick Film", Manufacturer=Yageo, Max Temp="155 degC", Min Temp="-55 degC", Package=0603, Power=1/10W, Supplier 1 Part Number=13-AC0603FR-0764K9LCT-ND, Supplier Part Number=603-AC0603FR-0764K9L, Tolerance=1%, Value Display="64.9kE, 1%, 0603", AEC-Q=200, Category=Resistor, ComponentLink1Description=Datasheet, ComponentLink1URL=https://www.yageo.com/upload/media/product/productsearch/datasheet/rchip/PYu-AC_51_RoHS_L_10.pdf, Manufacturer Part Number=AC0603FR-0764K9L, Mount Type="Surface Mount", RoHS=Yes, Supplier=Mouser, Supplier 1=Digikey, Supplier 1 pricing per Unit="8.34 INR", Supplier pricing per Unit="8.34 INR", Value 1=AC0603FR-0764K9L